# Altium PCB ZJUDancer_Circuit_V3.6.3.PcbDoc (part 1 of 3)
Units mil, origin at the board's own origin, x right, y up, seen from the top; angles counter-clockwise.
Board outline 4098.46 x 3783.97 mil, 2 copper layers (Top Layer, Bottom Layer); 148 components, 204 nets, 618 pads, 460 vias.
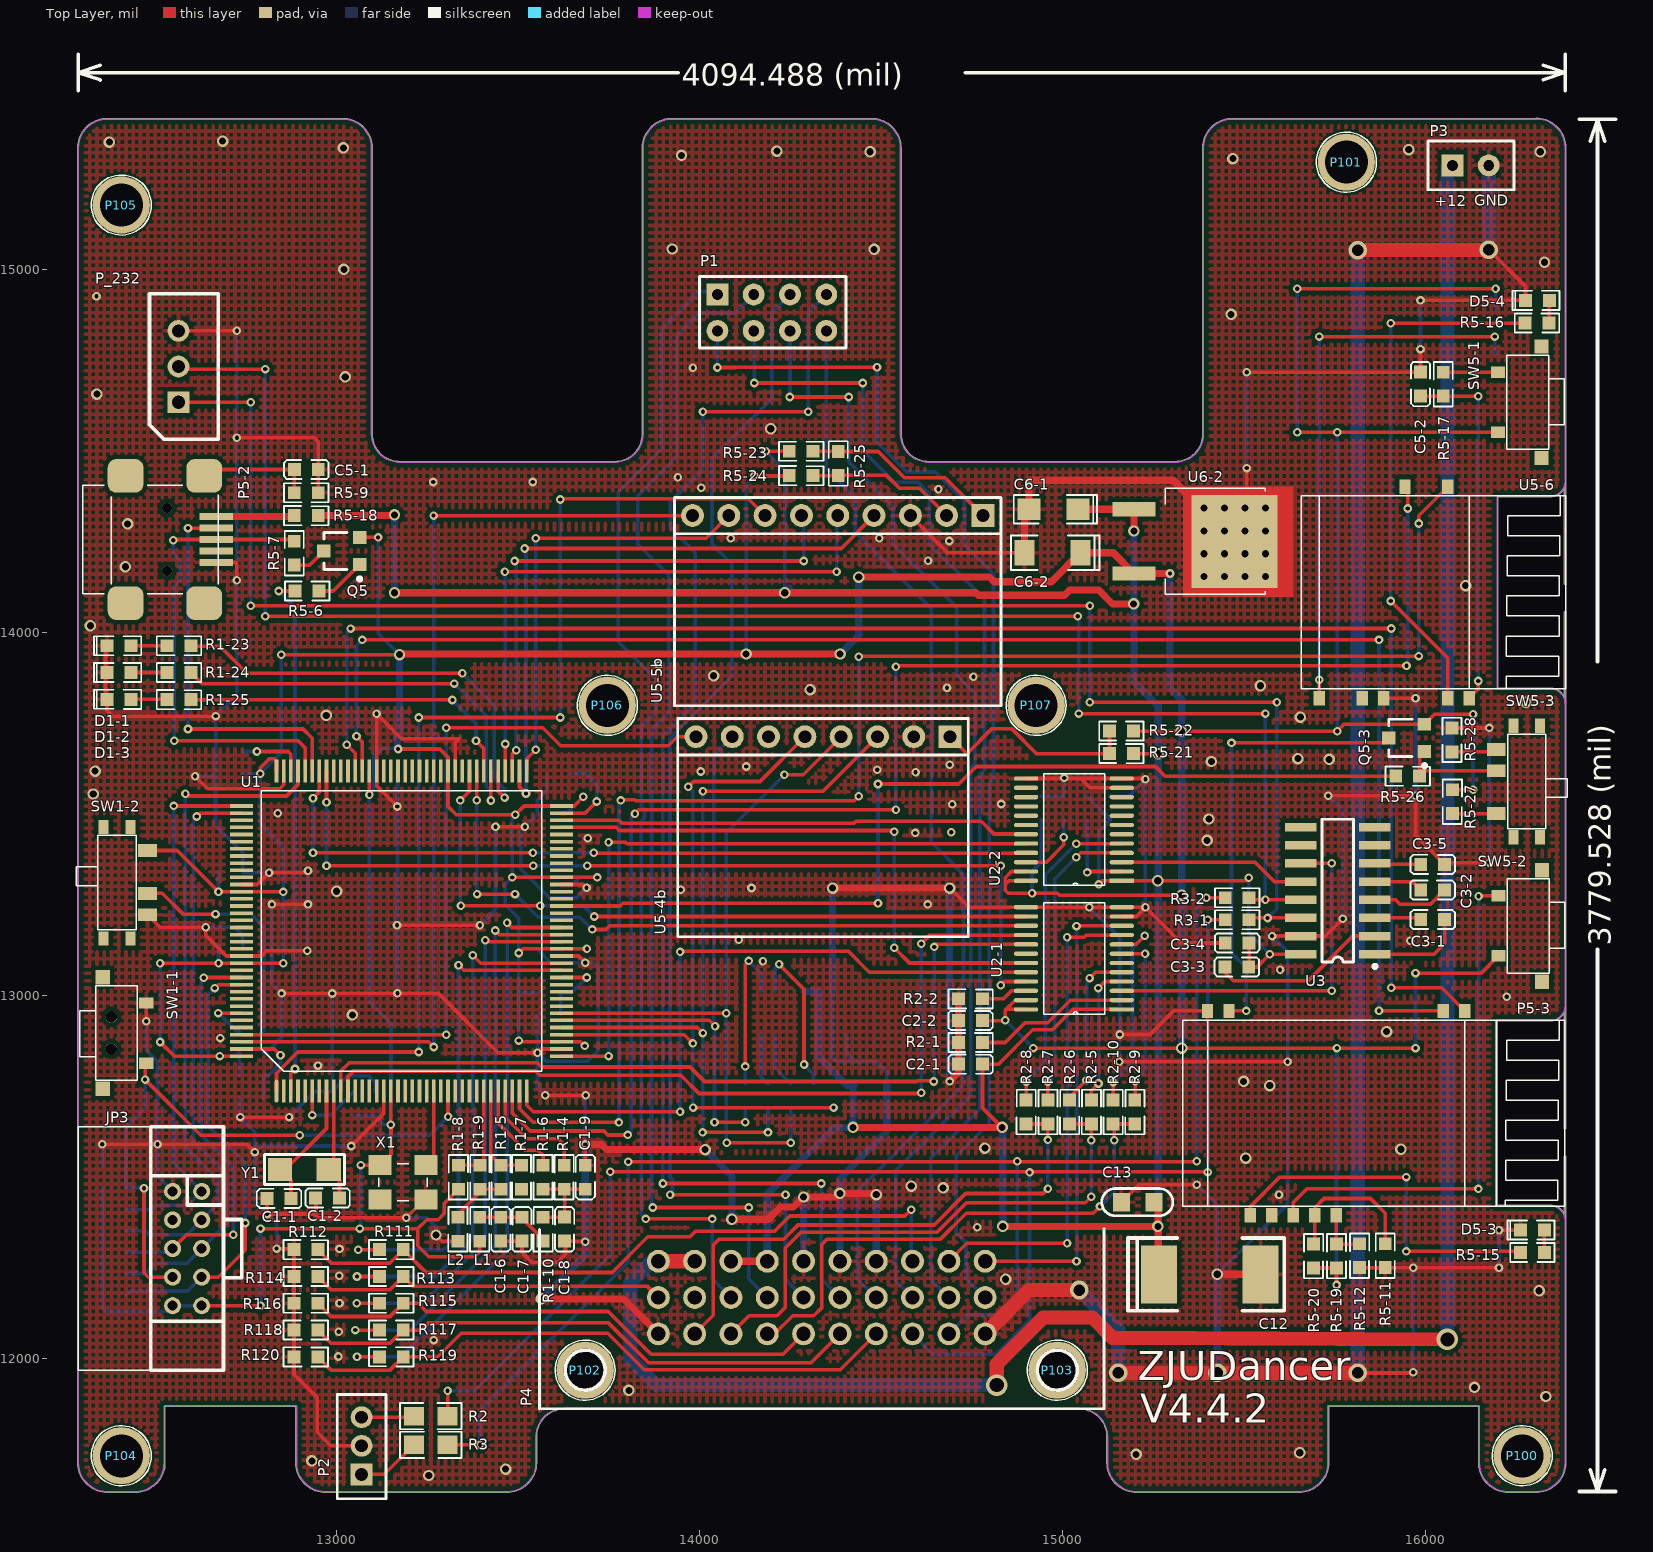
[diagram p0: Top Layer view]
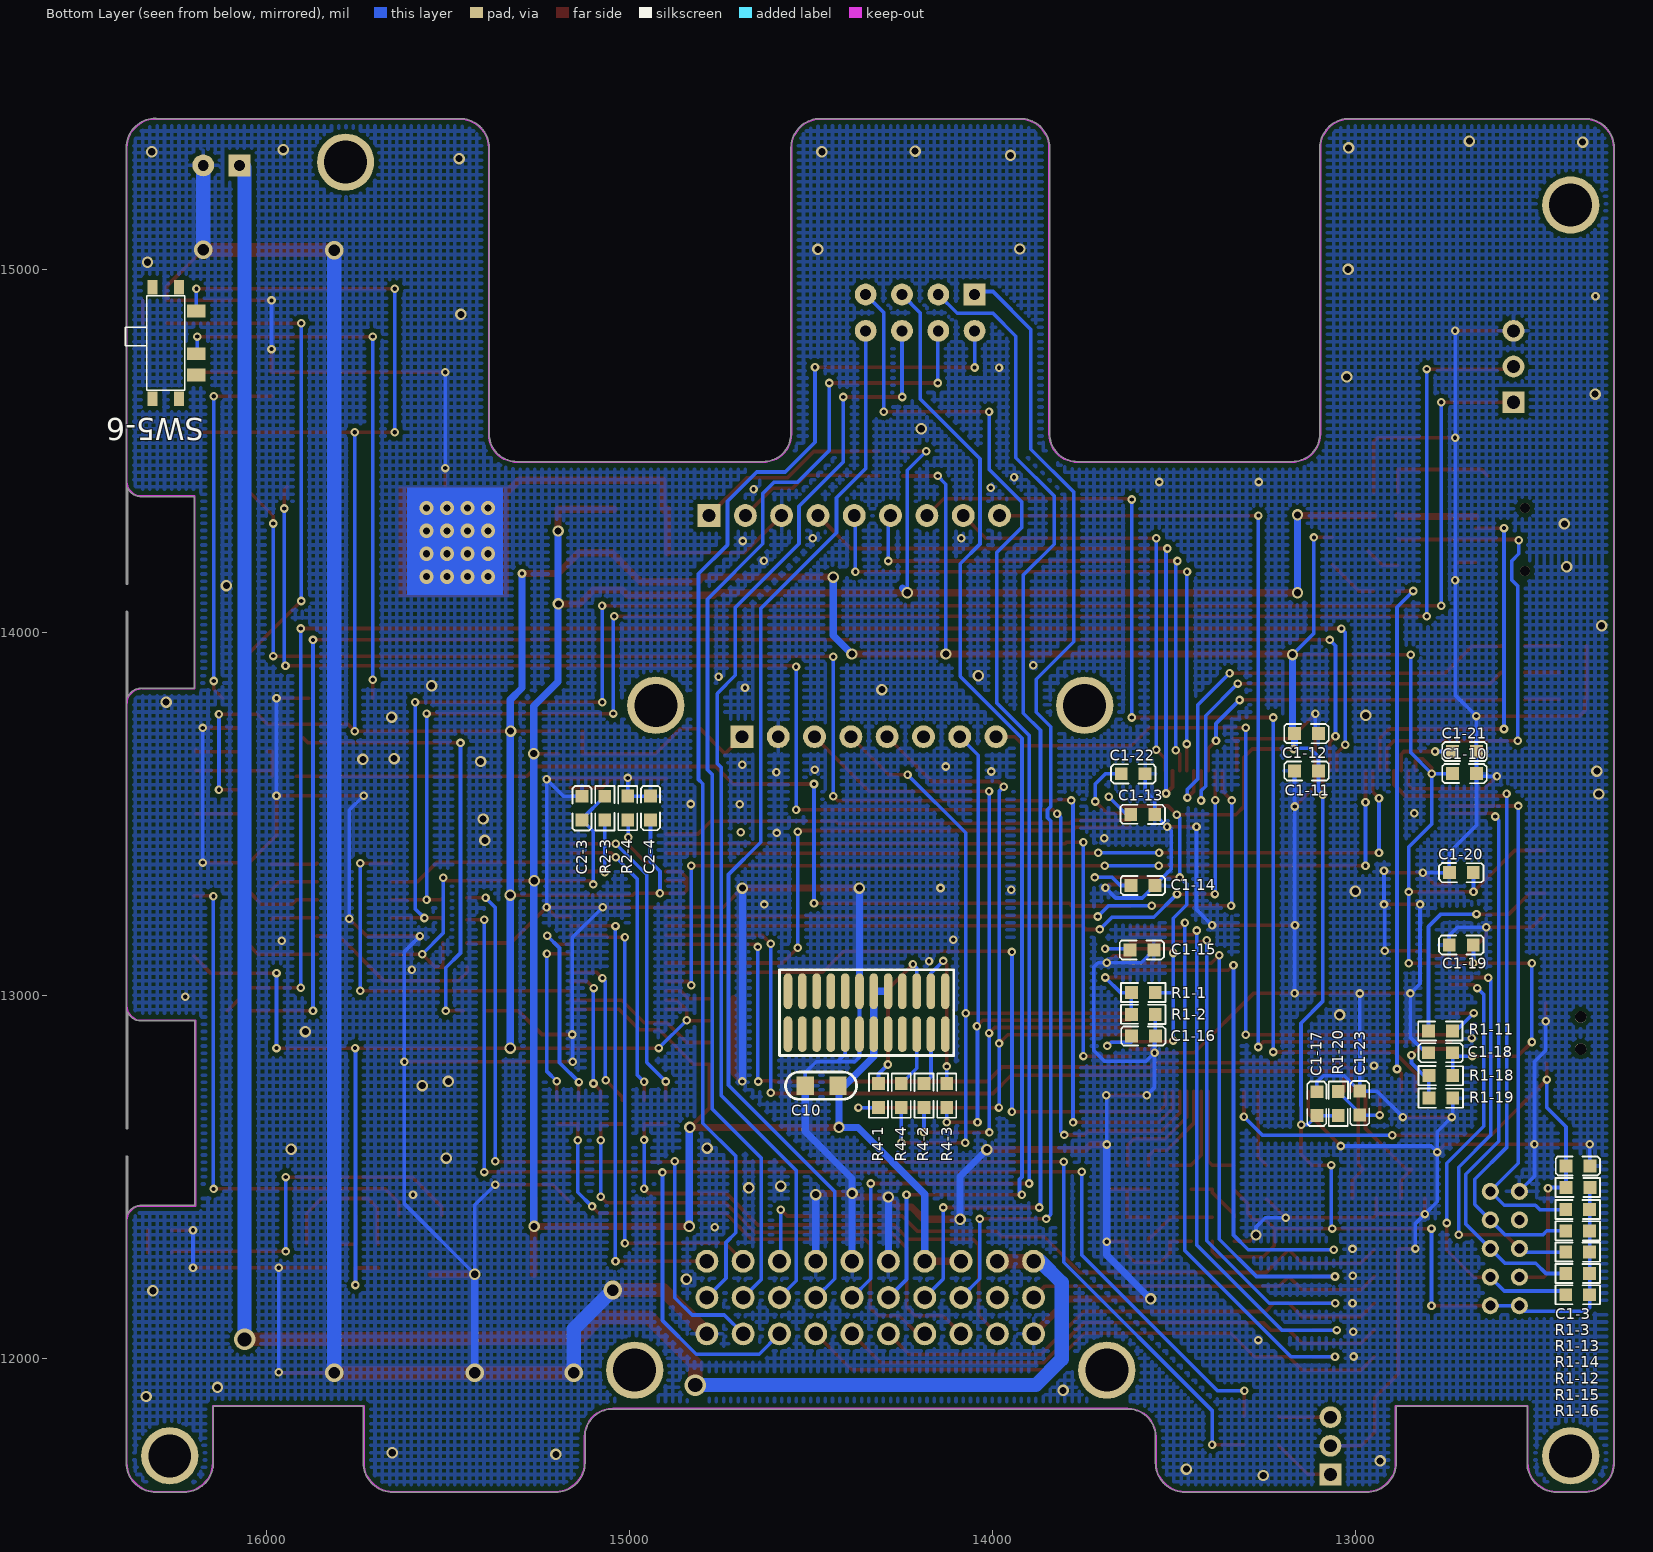
[diagram p1: Bottom Layer view, seen from below]
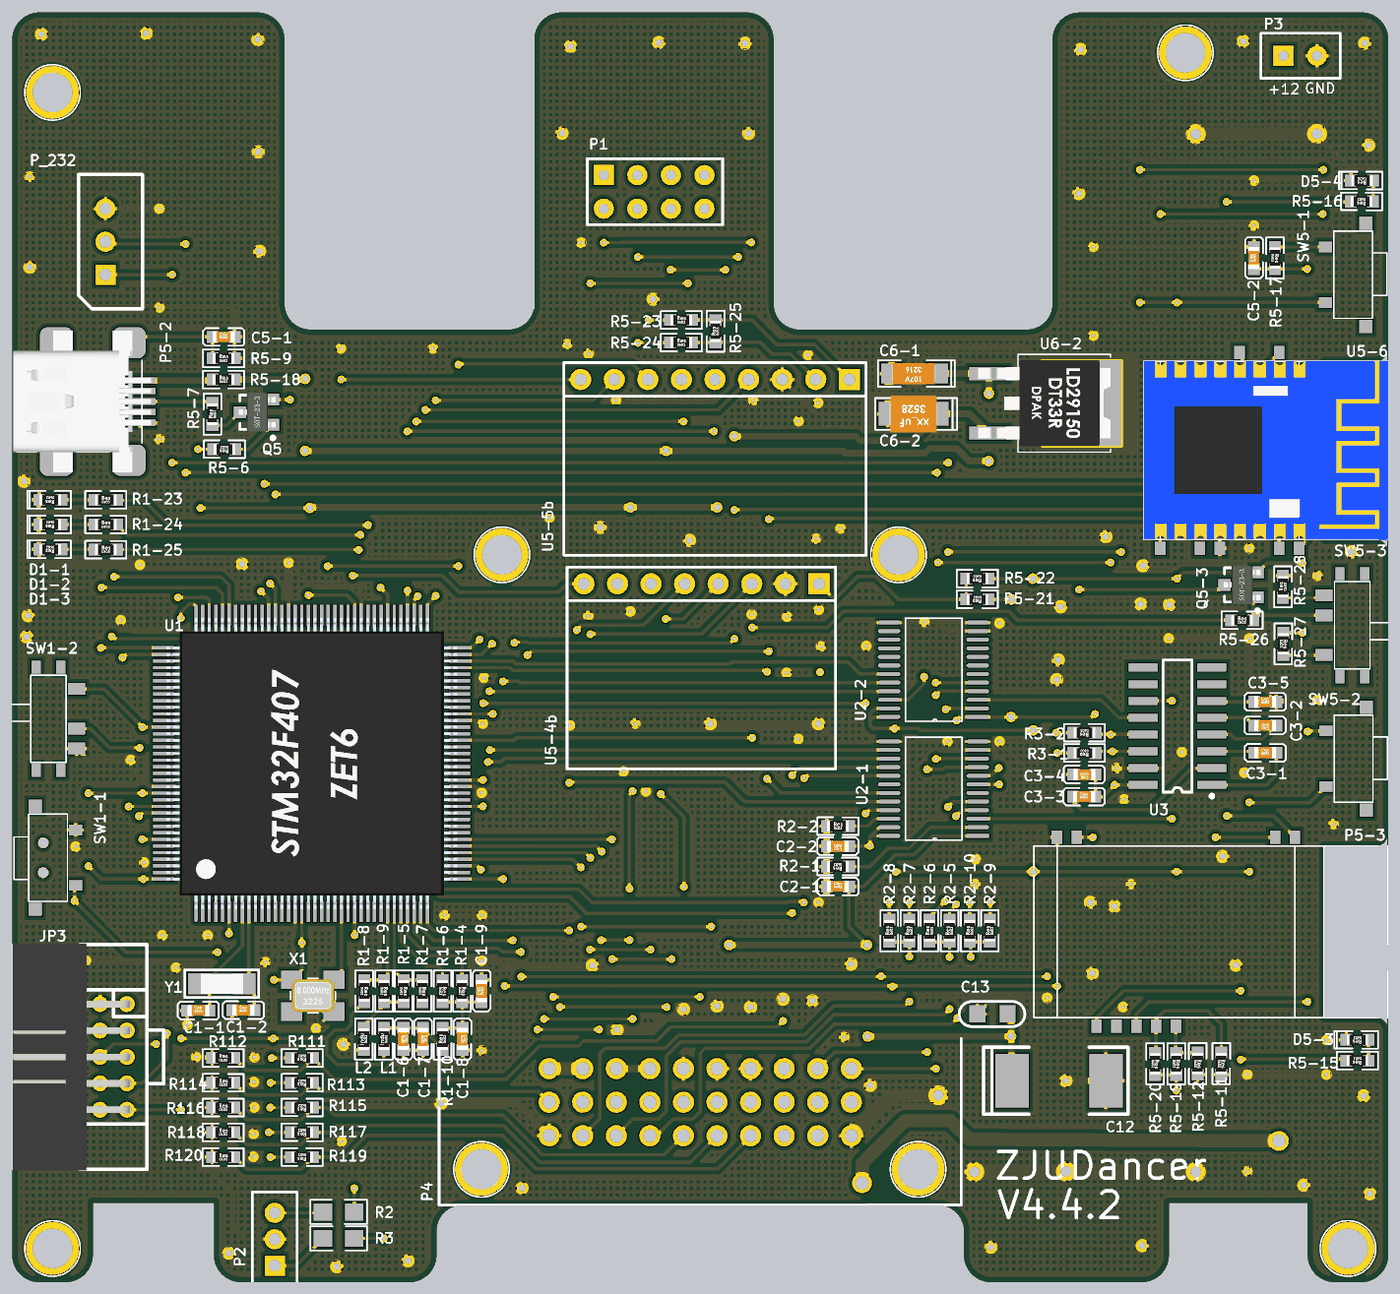
[diagram p4: 3D render of the assembled board from above, using the file's embedded part models]
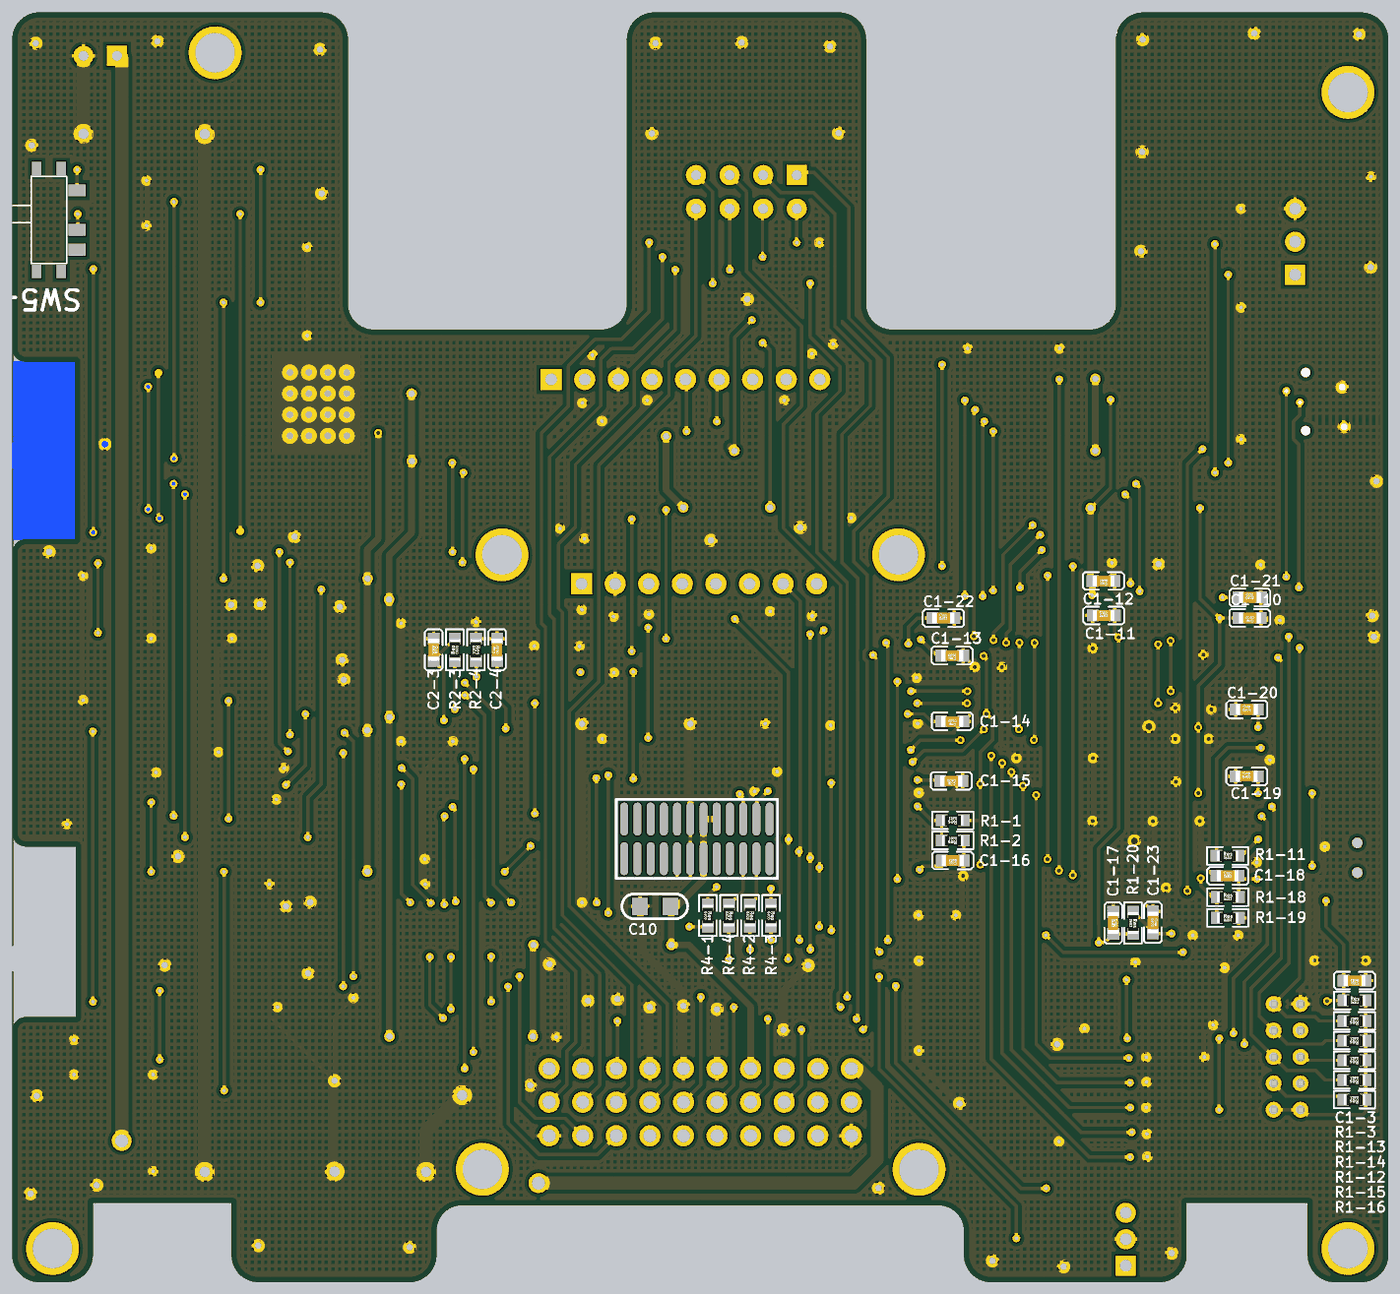
[diagram p5: 3D render of the assembled board from below, using the file's embedded part models]

## Layer stack, top to bottom
Top Layer: signal copper 1.4
Dielectric: dielectric 12.6, FR-4, Dk 4.8
Bottom Layer: signal copper 1.4

## Board outline
12367.64,11631.01 12446.38,11631.01 ccw(c12446.38,11711.73) 12527.1,11711.73 12527.1,11867.23 12887.66,11867.23 12887.66,11711.73 ccw(c12968.39,11711.73) 12968.39,11631.01 13470,11631.01 ccw(c13470,11711.73) 13550.72,11711.73 ccw(c13548.74,11711.73) 13550.72,11711.75 13550.72,11783.39 cw(c13627.48,11783.39) 13627.48,11860.14 15044.8,11860.14 cw(c15044.8,11783.39) 15121.56,11783.39 15121.56,11711.73 cw(c15123.54,11711.73) 15121.56,11711.75 15121.56,11711.73 ccw(c15202.28,11711.73) 15202.28,11631.01 15651.39,11631.01 ccw(c15651.39,11711.73) 15732.11,11711.73 15732.11,11867.23 16145.18,11867.23 16145.18,11711.73 ccw(c16225.91,11711.73) 16225.91,11631.01 16304.65,11631.01 ccw(c16304.65,11711.73) 16385.37,11711.73 16385.37,12555.12 ccw(c16383.39,12555.12) 16381.4,12555.12 16381.4,12397.6 ccw(c16344.02,12379.92) 16344.06,12421.27 ccw(c16344.02,12419.29) 16344.02,12421.28 16195.88,12421.28 16195.88,12929.12 16344.02,12929.12 ccw(c16344.02,12970.47) 16381.4,12952.8 16381.4,12633.86 ccw(c16383.39,12633.86) 16385.37,12633.86 16385.37,14055.12 ccw(c16383.39,14055.12) 16381.4,14055.12 16381.4,13820.8 ccw(c16343.5,13804.25) 16343.5,13845.61 ccw(c16343.5,13843.62) 16342.52,13845.34 ccw(c16341.54,13843.62) 16341.54,13845.61 16198.36,13845.61 16198.36,14373.13 16343.34,14373.13 ccw(c16344.02,14375) 16344.02,14373.02 ccw(c16344.02,14414.37) 16381.4,14396.7 16381.4,14133.86 ccw(c16383.39,14133.86) 16385.37,14133.86 16385.37,15334.25 ccw(c16304.65,15334.25) 16304.65,15414.98 ccw(c16304.65,15412.99) 16303.36,15414.5 15466.06,15414.5 ccw(c15466.06,15333.78) 15385.34,15333.78 15385.34,14546.38 ccw(c15387.32,14546.38) 15385.34,14546.36 ccw(c15308.58,14546.38) 15385.34,14546.38 15385.34,14546.36 cw(c15308.58,14546.38) 15308.6,14469.62 cw(c15308.58,14546.38) 15308.58,14469.62 cw(c15308.58,14467.64) 15308.6,14469.62 15308.58,14469.62 14631.42,14469.62 ccw(c14631.42,14467.64) 14631.4,14469.62 cw(c14631.42,14546.38) 14554.66,14546.38 14554.66,15333.78 cw(c14552.68,15333.78) 14554.66,15333.76 14554.66,15333.78 ccw(c14473.94,15333.78) 14473.94,15414.5 13922.76,15414.5 ccw(c13922.76,15333.78) 13842.03,15333.78 13842.03,14546.38 ccw(c13844.02,14546.38) 13842.03,14546.36 cw(c13765.28,14546.38) 13765.3,14469.62 ccw(c13765.28,14467.64) 13765.28,14469.62 13174.72,14469.62 ccw(c13174.72,14467.64) 13174.7,14469.62 cw(c13174.72,14546.38) 13097.97,14546.38 13097.97,15333.78 cw(c13095.98,15333.78) 13097.97,15333.76 13097.97,15333.78 ccw(c13017.24,15333.78) 13017.24,15414.5 12367.64,15414.5 ccw(c12367.64,15333.78) 12286.91,15333.78 12286.91,11711.73 ccw(c12367.64,11711.73)

## Design rules (kind name [scope] priority, off if disabled: settings)
Clearance Clearance_1 [inpolygon] p1: gap=11.81
Clearance [All] p2: gap=9.69
ComponentClearance [All] p1: gap=0 collisioncheckmode=3 verticalgap=0 showdistances=FALSE
HoleSize [All] p1: absolutevalues=TRUE maxlimit=236.22 minlimit=11.81 maxpercent=80.000 minpercent=20.000
MinimumSolderMaskSliver [All] p1: minsoldermaskwidth=0.39
PolygonConnect PolygonConnect_1 [isvia] p1: connectstyle=Direct reliefconductorwidth=10 reliefentries=4 polygonreliefangle="90 Angle"
PolygonConnect [All] p2: connectstyle=Relief reliefconductorwidth=10 reliefentries=4 polygonreliefangle="90 Angle"
RoutingVias [All] p1: holewidth=11.81 width=23.62 viastyle="Through Hole" minholewidth=11.81 minwidth=23.62 maxholewidth=196.85 maxwidth=314.96
SilkToSilkClearance [All] p1: silktosilkclearance=0
SilkscreenOverComponentPads [All] p1: minsilkscreentomaskgap=0.39
SolderMaskExpansion [All] p1: expansion=4
Width [All] p1: maxlimit=314.96 minlimit=10 preferedwidth=10
23 further rules are at their usual default settings.

## Components (designator, comment, footprint, x,y, rotation, side; value= is the part's Value field where it differs from the comment)
C1-1 "Cap_0603" CAP_0603 12841.32,12440.55 r0 top
C1-2 "Cap_0603" CAP_0603 12975.18,12441.53 r0 top
C1-3 "Cap_0603" CAP_0603 12387.17,12529.6 r0 bottom
C1-6 "Cap_0603" CAP_0603 13452.2,12355.47 r270 top
C1-7 "Cap_0603" CAP_0603 13510.44,12355.47 r270 top
C1-8 "Cap_0603" CAP_0603 13627.95,12355.75 r270 top
C1-9 "Cap_0603" CAP_0603 13684.83,12498.62 r90 top
C1-10 "Cap_0603" CAP_0603 12699.3,13610.24 r0 bottom
C1-11 "Cap_0603" CAP_0603 13134.63,13617.71 r180 bottom
C1-12 "Cap_0603" CAP_0603 13134.84,13720.47 r0 bottom
C1-13 "Cap_0603" CAP_0603 13585.63,13498.03 r0 bottom
C1-14 "Cap_0603" CAP_0603 13585.2,13302.17 r0 bottom
C1-15 "Cap_0603" CAP_0603 13588.01,13124.6 r0 bottom
C1-16 "Cap_0603" CAP_0603 13583.88,12887.4 r0 bottom
C1-17 "Cap_0603" CAP_0603 13106.09,12701.38 r270 bottom
C1-18 "Cap_0603" CAP_0603 12765.32,12841.54 r180 bottom
C1-19 "Cap_0603" CAP_0603 12708.45,13138.38 r180 bottom
C1-20 "Cap_0603" CAP_0603 12708.11,13337.59 r180 bottom
C1-21 "Cap_0603" CAP_0603 12699.25,13671.26 r180 bottom
C1-22 "Cap_0603" CAP_0603 13611.99,13609.85 r180 bottom
C1-23 "Cap_0603" CAP_0603 12987.98,12702.79 r270 bottom
C2-1 "Cap_0603" CAP_0603 14746.06,12810.04 r0 top
C2-2 "Cap_0603" CAP_0603 14746.01,12930.12 r180 top
C2-3 "Cap_0603" CAP_0603 15129.93,13515.2 r270 bottom
C2-4 "Cap_0603" CAP_0603 14941.29,13515.32 r90 bottom
C3-1 "Cap_0603" Cap_0603 16018.65,13208.45 r0 top
C3-2 "Cap_0603" Cap_0603 16018.6,13289.74 r180 top
C3-3 "Cap_0603" Cap_0603 15479.33,13077.76 r0 top
C3-4 "Cap_0603" Cap_0603 15480.32,13143.7 r180 top
C3-5 "Cap_0603" Cap_0603 16018.65,13360.35 r0 top
C5-1 "Cap_0805" Cap_0603 12916.52,14447.71 r0 top
C5-2 "Cap_0805" Cap_0603 15985.24,14683.07 r90 top
C6-1 "Cap _Tan_3216" TCAP_3216A 14971.46,14338.58 r180 top
C6-2 "Cap _Tan_3528" TCAP_3528A 14971.46,14218.5 r180 top
C10 "0.1uF" 0805c 14515.2,12750.98 r180 bottom
C12 "100uF" TCap_7343D 15404.76,12231.3 r0 top
C13 "0.1uF" 0805c 15161.42,12430.12 r0 top
D1-1 "LED_0603" 0603_LED 12400.44,13962.42 r180 top
D1-2 "LED_0603" 0603_LED 12400.44,13888.8 r180 top
D1-3 "LED_0603" 0603_LED 12400.44,13814.77 r180 top
D5-3 "LED_0603" 0603_LED 16293.31,12353.35 r180 top
D5-4 "LED_0603" 0603_LED 16307.13,14913.54 r180 top
JP3 "ISP_Min" ISP_MIN 12588.46,12302.28 r90 top
L1 "0603_Inductor" 0603_INDUCTOR 13394.02,12355.41 r90 top
L2 "0603_Inductor" 0603_INDUCTOR 13333.98,12355.41 r90 top
P1 "Header 4X2" HEADER2.54_4*2 14048.74,14929.84 r0 top locked
P2 "Header 3" HEADER2.0_3 13068.82,11680.24 r90 top locked
P3 "+12" HEADER2.54_2 16073.15,15285.35 r0 top locked
P4 "DIN 41612-30P" "DIN 41612-30P/P" 13886.14,12267.31 r180 top locked
P5-2 "USB_Mini_B PORT" USB-MINI-B 12418.82,14255.04 r270 top
P5-3 "BlueTooth_BC04-B" BlueTooth_BC04-B 15398.62,12931.1 r270 top locked
P100 "SMB" 小安装孔 16265.28,11731.42 r90 top locked
P101 "SMB" 小安装孔 15781.02,15294.41 r90 top locked
P102 "SMB" 小安装孔 13684.57,11967.31 r90 top
P103 "SMB" 小安装孔 14984.96,11967.31 r90 top locked
P104 "SMB" 小安装孔 12407.01,11731.42 r90 top locked
P105 "SMB" 小安装孔 12407.01,15176.3 r90 top locked
P106 "SMB" 小安装孔 13745.59,13798.35 r90 top locked
P107 "SMB" 小安装孔 14926.69,13798.35 r90 top locked
P_232 "5264-3" "5264-3 - wan" 12564.49,14731.42 r90 top
Q5 "8550" 8550_SOT23 13014.21,14223.42 r90 top
Q5-3 "8550" 8550_SOT23 15946.85,13708.66 r90 top
R1-1 "Res" 0603_Res 13584.07,13007.2 r0 bottom
R1-2 "Res" 0603_Res 13584.07,12947.16 r0 bottom
R1-3 "Res" 0603_Res 12387.17,12470.54 r180 bottom
R1-4 "Res" 0603_RES 13626.76,12498.62 r270 top
R1-5 "Res" 0603_Res 13452.54,12498.62 r270 top
R1-6 "Res" 0603_RES 13568.69,12498.62 r270 top
R1-7 "Res" 0603_RES 13509.01,12498.62 r270 top
R1-8 "Res" 0603_RES 13335.42,12498.62 r270 top
R1-9 "Res" 0603_RES 13394.47,12498.62 r270 top
R1-10 "Res" 0603_Res 13568.69,12355.48 r90 top
R1-11 "Res" 0603_Res 12765.75,12901.57 r180 bottom
R1-12 "Res_0603" 0603_RES 12387.73,12292.27 r0 bottom
R1-13 "Res_0603" 0603_RES 12387.73,12409.52 r0 bottom
R1-14 "Res_0603" 0603_RES 12387.73,12350.89 r0 bottom
R1-15 "Res_0603" 0603_RES 12387.73,12233.64 r0 bottom
R1-16 "Res_0603" 0603_RES 12387.73,12175.02 r0 bottom
R1-18 "Res" 0603_RES 12764.76,12778.54 r180 bottom
R1-19 "Res" 0603_RES 12764.76,12716.54 r180 bottom
R1-20 "Res" 0603_Res 13047.03,12701.38 r270 bottom
R1-23 "Res_0603" 0603_Res 12565.79,13962.42 r0 top
R1-24 "Res_0603" 0603_Res 12565.79,13888.8 r0 top
R1-25 "Res_0603" 0603_Res 12565.79,13814 r0 top
R2 "4.7k" 0805R 13212.66,11840.46 r0 top
R2-1 "Res" 0603_Res 14746.01,12869.58 r180 top
R2-2 "Res" 0603_Res 14746.07,12990.16 r0 top
R2-3 "Res" 0603_Res 15067.28,13515.19 r90 bottom
R2-4 "Res" 0603_Res 15003.92,13515.26 r270 bottom
R2-5 "Res" 0603_Res 15078.66,12678.27 r90 top
R2-6 "Res" 0603_Res 15018.82,12678.27 r90 top